# KiCad board data-center-rdimm-ddr4-tester.kicad_pcb (continued)
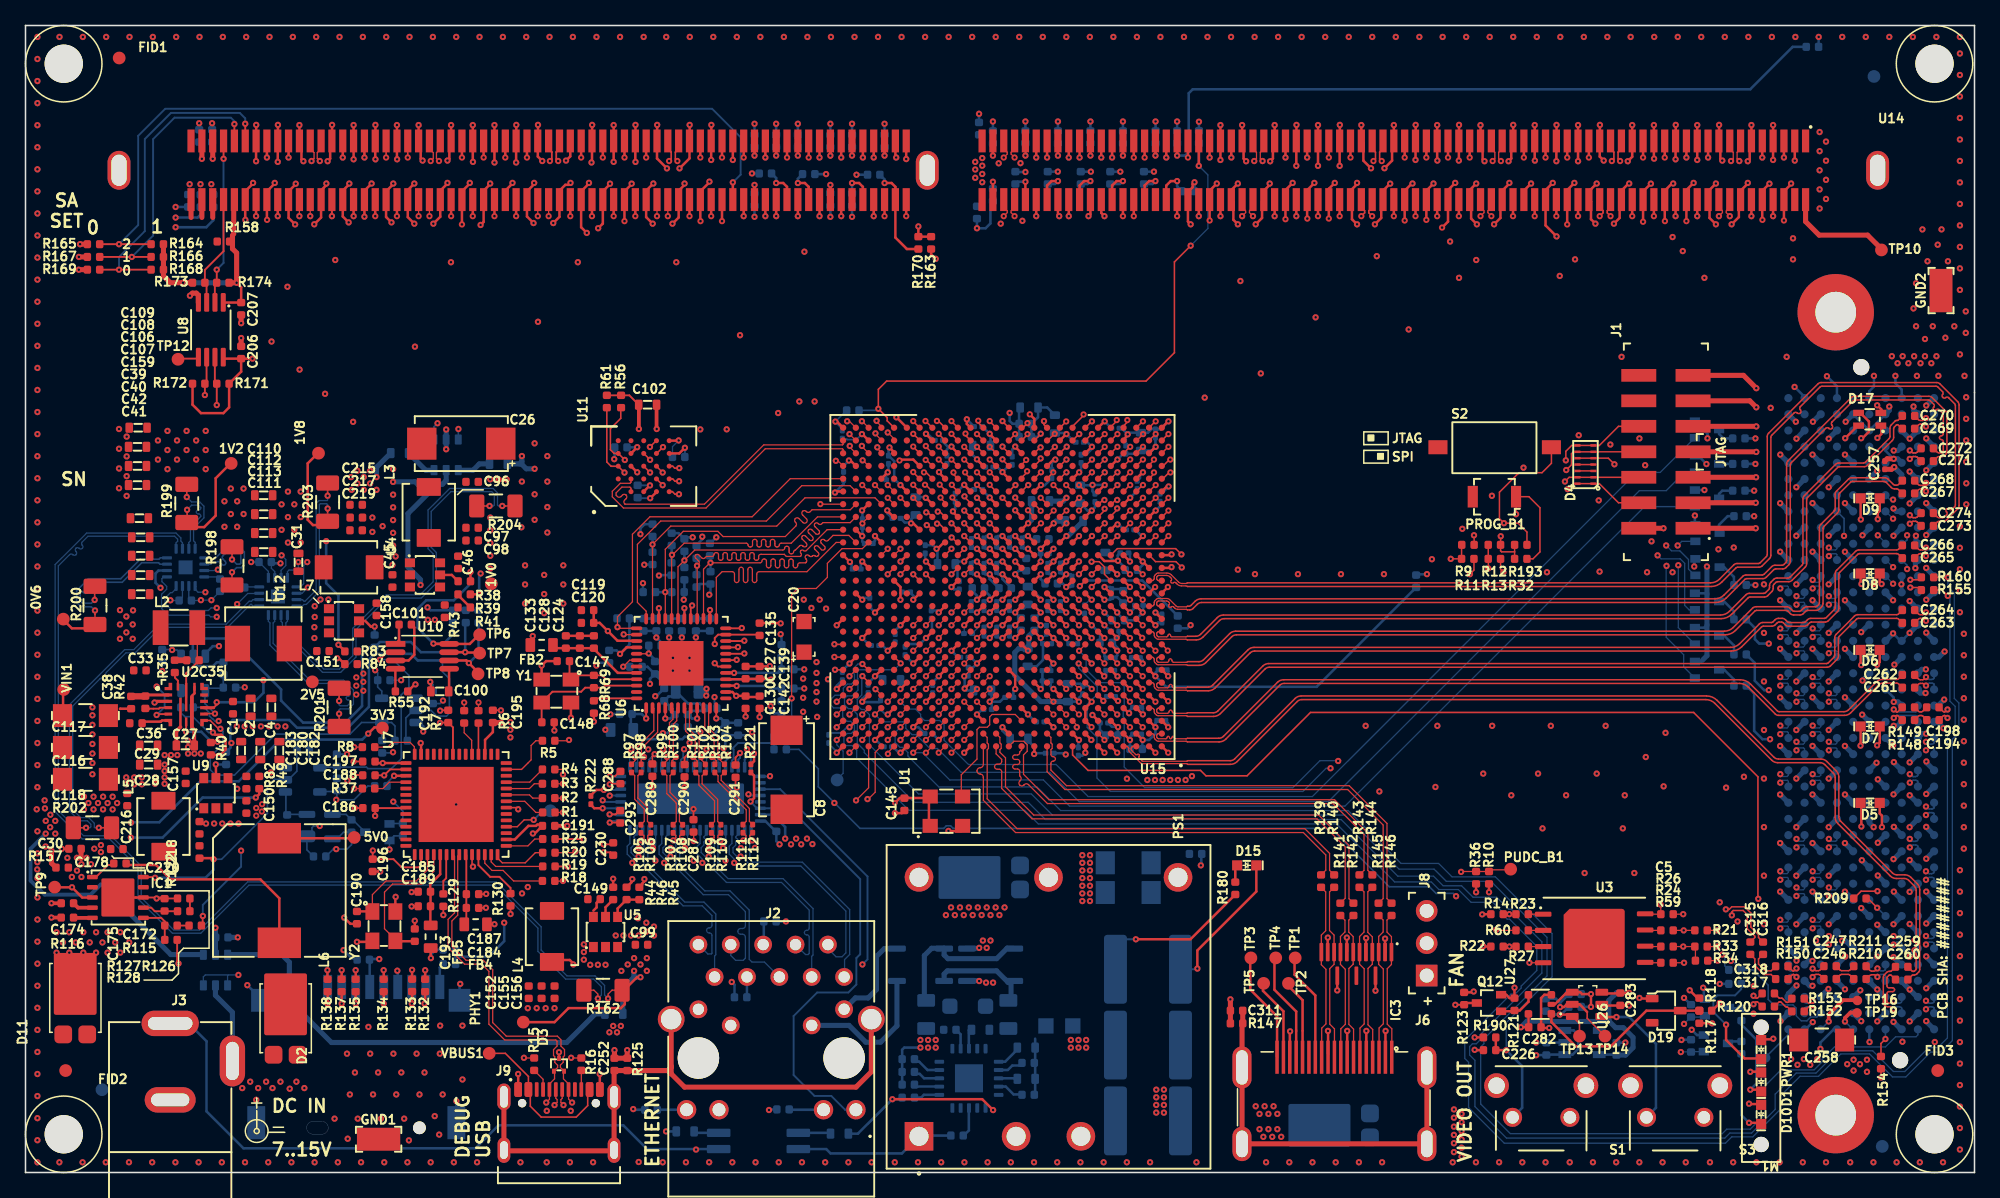
[diagram p0: board, top side]
## Library data of the parts (continued)
U12 = -: Author: Antmicro; License: Apache-2.0; Manufacturer: Diodes Incorporated; Field8: License: Apache-2.0; Field10: Author: Antmicro
U13 = -: Description: IEEE 802.3bt PoE high-power PD interface with automatic MPS & autoclass; Author: Antmicro; License: Apache-2.0; Manufacturer: Texas Instruments; Field8: License: Apache-2.0; Field9: Author: Antmicro
U14 = -: Description: DDR4 RDIMM 288 Pin SMT type; Author: Antmicro; License: Apache-2.0; MPN: 2199155-1; Manufacturer: TE Connectivity; Field9: License: Apache-2.0; Field10: Author: Antmicro
U15 = -: Description: Kintex®-7 Field Programmable Gate Array (FPGA) IC 300 4976640 65600 676-BBGA, FCBGA; Author: Antmicro; License: Apache-2.0; Manufacturer: AMD-Xilinx; Field8: Author: Antmicro; Field9: License: Apache-2.0
U16 = -: Description: 3.3-V, 2:1 (SPDT), 8-channel gigachannel LAN switch with LED switch & enhanced ESD protection; Author: Antmicro; License: Apache-2.0; Manufacturer: Texas Instruments; Field8: Author: Antmicro; Field10: License: Apache-2.0
U17 = -: Description: Dual Buffer w/ Open Drain, Low-Voltage CMOS, TSOP6 (SOT457/SC-74/SOT23-6) package 1.1mm height, Texas Instruments Equivalent: SN74LVC2G07DBVR; Author: Antmicro; License: Apache-2.0; MPN: 74LVC2G07GV,125; Manufacturer: Nexperia; Field8: Author: Antmicro; Field10: License: Apache-2.0
U18 = -: Description: Supervisory Circuits 4-Pin uP Voltage Monitors with Manual Reset Input; Author: Antmicro; License: Apache-2.0; Manufacturer: Maxim Integrated; Field8: License: Apache-2.0; Field10: Author: Antmicro
U19 = -: Description: Current/Voltage Monitor Regulator High-Side 16-VQFN (3x3); Author: Antmicro; License: Apache-2.0; MPN: PAC1954T-E/4MX; Manufacturer: Microchip Technology; Field8: License: Apache-2.0; Field10: Author: Antmicro
U20 = -: Description: Current/Voltage Monitor Regulator High-Side 16-VQFN (3x3); Author: Antmicro; License: Apache-2.0; MPN: PAC1954T-E/4MX; Manufacturer: Microchip Technology; Field8: Author: Antmicro; Field9: License: Apache-2.0
U21 U22 = -: Author: Antmicro; License: Apache-2.0; MPN: SN74AHCT1G125DBVR; Manufacturer: Texas Instruments; Field8: Author: Antmicro; Field10: License: Apache-2.0
U23 = -: Author: Antmicro; License: Apache-2.0; MPN: SN74AHCT1G125DBVR; Manufacturer: Texas Instruments; Field8: License: Apache-2.0; Field10: Author: Antmicro
U24 = -: Description: Dual Buffer w/ Open Drain, Low-Voltage CMOS, TSOP6 (SOT457/SC-74/SOT23-6) package 1.1mm height, Texas Instruments Equivalent: SN74LVC2G07DBVR; Author: Antmicro; License: Apache-2.0; MPN: 74LVC2G07GV,125; Manufacturer: Nexperia; Field8: Author: Antmicro; Field9: License: Apache-2.0
U25 = -: Description: LDO Voltage Regulators 300 MA LOW IQ WIDE INPUT 5.0V; Author: Antmicro; License: Apache-2.0; MPN: NCP718ASN500T1G; Manufacturer: ON Semiconductor; Field9: Author: Antmicro; Field10: License: Apache-2.0
U26 = -: Description: nanoPower Pushbutton On/Off Controller and Battery Freshness Seal; Author: Antmicro; License: Apache-2.0; MPN: MAX16150AUT+T; Manufacturer: Maxim Integrated; Field8: License: Apache-2.0; Field9: Author: Antmicro
U27 = -: Description: Single Inverting Buffer/Driver With 3-State Output; Author: Antmicro; License: Apache-2.0; MPN: SN74LVC1G240DCKR; Manufacturer: Texas Instruments; Field8: License: Apache-2.0; Field10: Author: Antmicro
Y1 = -: Description: 25 MHz ±20ppm Crystal 18pF 60 Ohms 4-SMD, No Lead; Author: Antmicro; License: Apache-2.0; MPN: ABM8G-25.000MHZ-18-D2Y-T; Manufacturer: Abracon; Val: 25MHz; Field9: License: Apache-2.0; Field11: Author: Antmicro
Y2 = -: Author: Antmicro; License: Apache-2.0; MPN: ABM8G-12.000MHZ-18-D2Y-T; Manufacturer: Abracon; Val: 12MHz; Field10: Author: Antmicro; Field11: License: Apache-2.0

## Footprints (pads in the part's own frame, mm; a bottom-side part is the same pattern mirrored in y, then rotated)
AP62301WU-7-TSOT23-6
  rect 0.7x0.8 smd: 1(-0.952,-1.18) 2(-0.001,-1.18) 3(0.947,-1.18) 4(0.947,1.18) 5(-0.001,1.18) 6(-0.952,1.18)
BarrelJack_3167288_Horizontal
  oval 4.5x2 hole 3.5x1: 1(0,0)
  oval 1.99x4 hole 1x3: 2(4.879,-2.948)
  oval 4x2 hole 3x1: 3(0,-5.999)
BGA-676_27x27mm_Layout26x26_P1X1mm
  round 0.5 smd: A1(-12.5,12.5) A2(-11.5,12.5) A3(-10.5,12.5) A4(-9.5,12.5) A5(-8.5,12.5) A6(-7.5,12.5) A7(-6.5,12.5) A8(-5.5,12.5) A9(-4.5,12.5) A10(-3.5,12.5) A11(-2.5,12.5) A12(-1.5,12.5) A13(-0.5,12.5) A14(0.499,12.5) A15(1.499,12.5) A16(2.499,12.5) A17(3.499,12.5) A18(4.499,12.5) A19(5.499,12.5) A20(6.499,12.5) A21(7.499,12.5) A22(8.499,12.5) A23(9.499,12.5) A24(10.499,12.5) A25(11.499,12.5) A26(12.499,12.5) AA1(-12.5,-7.499) AA2(-11.5,-7.499) AA3(-10.5,-7.499) AA4(-9.5,-7.499) AA5(-8.5,-7.499) AA6(-7.5,-7.499) AA7(-6.5,-7.499) AA8(-5.5,-7.499) AA9(-4.5,-7.499) AA10(-3.5,-7.499) AA11(-2.5,-7.499) AA12(-1.5,-7.499) AA13(-0.5,-7.499) AA14(0.499,-7.499) AA15(1.499,-7.499) AA16(2.499,-7.499) AA17(3.499,-7.499) AA18(4.499,-7.499) AA19(5.499,-7.499) AA20(6.499,-7.499) AA21(7.499,-7.499) AA22(8.499,-7.499) AA23(9.499,-7.499) AA24(10.499,-7.499) AA25(11.499,-7.499) AA26(12.499,-7.499) AB1(-12.5,-8.499) AB2(-11.5,-8.499) AB3(-10.5,-8.499) AB4(-9.5,-8.499) AB5(-8.5,-8.499) AB6(-7.5,-8.499) AB7(-6.5,-8.499) AB8(-5.5,-8.499) AB9(-4.5,-8.499) AB10(-3.5,-8.499) AB11(-2.5,-8.499) AB12(-1.5,-8.499) AB13(-0.5,-8.499) AB14(0.499,-8.499) AB15(1.499,-8.499) AB16(2.499,-8.499) AB17(3.499,-8.499) AB18(4.499,-8.499) AB19(5.499,-8.499) AB20(6.499,-8.499) AB21(7.499,-8.499) AB22(8.499,-8.499) AB23(9.499,-8.499) AB24(10.499,-8.499) AB25(11.499,-8.499) AB26(12.499,-8.499) AC1(-12.5,-9.499) AC2(-11.5,-9.499) AC3(-10.5,-9.499) AC4(-9.5,-9.499) AC5(-8.5,-9.499) AC6(-7.5,-9.499) AC7(-6.5,-9.499) AC8(-5.5,-9.499) AC9(-4.5,-9.499) AC10(-3.5,-9.499) AC11(-2.5,-9.499) AC12(-1.5,-9.499) AC13(-0.5,-9.499) AC14(0.499,-9.499) AC15(1.499,-9.499) AC16(2.499,-9.499) AC17(3.499,-9.499) AC18(4.499,-9.499) AC19(5.499,-9.499) AC20(6.499,-9.499) AC21(7.499,-9.499) AC22(8.499,-9.499) AC23(9.499,-9.499) AC24(10.499,-9.499) AC25(11.499,-9.499) AC26(12.499,-9.499) AD1(-12.5,-10.499) AD2(-11.5,-10.499) AD3(-10.5,-10.499) AD4(-9.5,-10.499) AD5(-8.5,-10.499) AD6(-7.5,-10.499) AD7(-6.5,-10.499) AD8(-5.5,-10.499) AD9(-4.5,-10.499) AD10(-3.5,-10.499) AD11(-2.5,-10.499) AD12(-1.5,-10.499) AD13(-0.5,-10.499) AD14(0.499,-10.499) AD15(1.499,-10.499) AD16(2.499,-10.499) AD17(3.499,-10.499) AD18(4.499,-10.499) AD19(5.499,-10.499) AD20(6.499,-10.499) AD21(7.499,-10.499) AD22(8.499,-10.499) AD23(9.499,-10.499) AD24(10.499,-10.499) AD25(11.499,-10.499) AD26(12.499,-10.499) AE1(-12.5,-11.499) AE2(-11.5,-11.499) AE3(-10.5,-11.499) AE4(-9.5,-11.499) AE5(-8.5,-11.499) AE6(-7.5,-11.499) AE7(-6.5,-11.499) AE8(-5.5,-11.499) AE9(-4.5,-11.499) AE10(-3.5,-11.499) AE11(-2.5,-11.499) AE12(-1.5,-11.499) AE13(-0.5,-11.499) AE14(0.499,-11.499) AE15(1.499,-11.499) AE16(2.499,-11.499) AE17(3.499,-11.499) AE18(4.499,-11.499) AE19(5.499,-11.499) AE20(6.499,-11.499) AE21(7.499,-11.499) AE22(8.499,-11.499) AE23(9.499,-11.499) AE24(10.499,-11.499) AE25(11.499,-11.499) AE26(12.499,-11.499) AF1(-12.5,-12.499) AF2(-11.5,-12.499) AF3(-10.5,-12.499) AF4(-9.5,-12.499) AF5(-8.5,-12.499) AF6(-7.5,-12.499) AF7(-6.5,-12.499) AF8(-5.5,-12.499) AF9(-4.5,-12.499) AF10(-3.5,-12.499) AF11(-2.5,-12.499) AF12(-1.5,-12.499) AF13(-0.5,-12.499) AF14(0.499,-12.499) AF15(1.499,-12.499) AF16(2.499,-12.499) AF17(3.499,-12.499) AF18(4.499,-12.499) AF19(5.499,-12.499) AF20(6.499,-12.499) AF21(7.499,-12.499) AF22(8.499,-12.499) AF23(9.499,-12.499) AF24(10.499,-12.499) AF25(11.499,-12.499) AF26(12.499,-12.499) B1(-12.5,11.5) B2(-11.5,11.5) B3(-10.5,11.5) B4(-9.5,11.5) B5(-8.5,11.5) B6(-7.5,11.5) B7(-6.5,11.5) B8(-5.5,11.5) B9(-4.5,11.5) B10(-3.5,11.5) B11(-2.5,11.5) B12(-1.5,11.5) B13(-0.5,11.5) B14(0.499,11.5) B15(1.499,11.5) B16(2.499,11.5) B17(3.499,11.5) B18(4.499,11.5) B19(5.499,11.5) B20(6.499,11.5) B21(7.499,11.5) B22(8.499,11.5) B23(9.499,11.5) B24(10.499,11.5) B25(11.499,11.5) B26(12.499,11.5) C1(-12.5,10.5) C2(-11.5,10.5) C3(-10.5,10.5) C4(-9.5,10.5) C5(-8.5,10.5) C6(-7.5,10.5) C7(-6.5,10.5) C8(-5.5,10.5) C9(-4.5,10.5) C10(-3.5,10.5) C11(-2.5,10.5) C12(-1.5,10.5) C13(-0.5,10.5) C14(0.499,10.5) C15(1.499,10.5) C16(2.499,10.5) C17(3.499,10.5) C18(4.499,10.5) C19(5.499,10.5) C20(6.499,10.5) C21(7.499,10.5) C22(8.499,10.5) C23(9.499,10.5) C24(10.499,10.5) C25(11.499,10.5) C26(12.499,10.5) D1(-12.5,9.5) D2(-11.5,9.5) D3(-10.5,9.5) D4(-9.5,9.5) D5(-8.5,9.5) D6(-7.5,9.5) D7(-6.5,9.5) D8(-5.5,9.5) D9(-4.5,9.5) D10(-3.5,9.5) D11(-2.5,9.5) D12(-1.5,9.5) D13(-0.5,9.5) D14(0.499,9.5) D15(1.499,9.5) D16(2.499,9.5) D17(3.499,9.5) D18(4.499,9.5) D19(5.499,9.5) D20(6.499,9.5) D21(7.499,9.5) D22(8.499,9.5) D23(9.499,9.5) D24(10.499,9.5) D25(11.499,9.5) D26(12.499,9.5) E1(-12.5,8.5) E2(-11.5,8.5) E3(-10.5,8.5) E4(-9.5,8.5) E5(-8.5,8.5) E6(-7.5,8.5) E7(-6.5,8.5) E8(-5.5,8.5) E9(-4.5,8.5) E10(-3.5,8.5) E11(-2.5,8.5) E12(-1.5,8.5) E13(-0.5,8.5) E14(0.499,8.5) E15(1.499,8.5) E16(2.499,8.5) E17(3.499,8.5) E18(4.499,8.5) E19(5.499,8.5) E20(6.499,8.5) E21(7.499,8.5) E22(8.499,8.5) E23(9.499,8.5) E24(10.499,8.5) E25(11.499,8.5) E26(12.499,8.5) F1(-12.5,7.5) F2(-11.5,7.5) F3(-10.5,7.5) F4(-9.5,7.5) F5(-8.5,7.5) F6(-7.5,7.5) F7(-6.5,7.5) F8(-5.5,7.5) F9(-4.5,7.5) F10(-3.5,7.5) F11(-2.5,7.5) F12(-1.5,7.5) F13(-0.5,7.5) F14(0.499,7.5) F15(1.499,7.5) F16(2.499,7.5) F17(3.499,7.5) F18(4.499,7.5) F19(5.499,7.5) F20(6.499,7.5) F21(7.499,7.5) F22(8.499,7.5) F23(9.499,7.5) F24(10.499,7.5) F25(11.499,7.5) F26(12.499,7.5) G1(-12.5,6.5) G2(-11.5,6.5) G3(-10.5,6.5) G4(-9.5,6.5) G5(-8.5,6.5) G6(-7.5,6.5) G7(-6.5,6.5) G8(-5.5,6.5) G9(-4.5,6.5) G10(-3.5,6.5) G11(-2.5,6.5) G12(-1.5,6.5) G13(-0.5,6.5) G14(0.499,6.5) G15(1.499,6.5) G16(2.499,6.5) G17(3.499,6.5) G18(4.499,6.5) G19(5.499,6.5) G20(6.499,6.5) G21(7.499,6.5) G22(8.499,6.5) G23(9.499,6.5) G24(10.499,6.5) G25(11.499,6.5) G26(12.499,6.5) H1(-12.5,5.5) H2(-11.5,5.5) H3(-10.5,5.5) H4(-9.5,5.5) H5(-8.5,5.5) H6(-7.5,5.5) H7(-6.5,5.5) H8(-5.5,5.5) H9(-4.5,5.5) H10(-3.5,5.5) H11(-2.5,5.5) H12(-1.5,5.5) H13(-0.5,5.5) H14(0.499,5.5) H15(1.499,5.5) H16(2.499,5.5) H17(3.499,5.5) H18(4.499,5.5) H19(5.499,5.5) H20(6.499,5.5) H21(7.499,5.5) H22(8.499,5.5) H23(9.499,5.5) H24(10.499,5.5) H25(11.499,5.5) H26(12.499,5.5) J1(-12.5,4.5) J2(-11.5,4.5) J3(-10.5,4.5) J4(-9.5,4.5) J5(-8.5,4.5) J6(-7.5,4.5) J7(-6.5,4.5) J8(-5.5,4.5) J9(-4.5,4.5) J10(-3.5,4.5) J11(-2.5,4.5) J12(-1.5,4.5) J13(-0.5,4.5) J14(0.499,4.5) J15(1.499,4.5) J16(2.499,4.5) J17(3.499,4.5) J18(4.499,4.5) J19(5.499,4.5) J20(6.499,4.5) J21(7.499,4.5) J22(8.499,4.5) J23(9.499,4.5) J24(10.499,4.5) J25(11.499,4.5) J26(12.499,4.5) K1(-12.5,3.5) K2(-11.5,3.5) K3(-10.5,3.5) K4(-9.5,3.5) K5(-8.5,3.5) K6(-7.5,3.5) K7(-6.5,3.5) K8(-5.5,3.5) K9(-4.5,3.5) K10(-3.5,3.5) K11(-2.5,3.5) K12(-1.5,3.5) K13(-0.5,3.5) K14(0.499,3.5) K15(1.499,3.5) K16(2.499,3.5) K17(3.499,3.5) K18(4.499,3.5) K19(5.499,3.5) K20(6.499,3.5) K21(7.499,3.5) K22(8.499,3.5) K23(9.499,3.5) K24(10.499,3.5) K25(11.499,3.5) K26(12.499,3.5) L1(-12.5,2.5) L2(-11.5,2.5) L3(-10.5,2.5) L4(-9.5,2.5) L5(-8.5,2.5) L6(-7.5,2.5) L7(-6.5,2.5) L8(-5.5,2.5) L9(-4.5,2.5) L10(-3.5,2.5) L11(-2.5,2.5) L12(-1.5,2.5) L13(-0.5,2.5) L14(0.499,2.5) L15(1.499,2.5) L16(2.499,2.5) L17(3.499,2.5) L18(4.499,2.5) L19(5.499,2.5) L20(6.499,2.5) L21(7.499,2.5) L22(8.499,2.5) L23(9.499,2.5) L24(10.499,2.5) L25(11.499,2.5) L26(12.499,2.5) M1(-12.5,1.5) M2(-11.5,1.5) M3(-10.5,1.5) M4(-9.5,1.5) M5(-8.5,1.5) M6(-7.5,1.5) M7(-6.5,1.5) M8(-5.5,1.5) M9(-4.5,1.5) M10(-3.5,1.5) M11(-2.5,1.5) M12(-1.5,1.5) M13(-0.5,1.5) M14(0.499,1.5) M15(1.499,1.5) M16(2.499,1.5) M17(3.499,1.5) M18(4.499,1.5) M19(5.499,1.5) M20(6.499,1.5) M21(7.499,1.5) M22(8.499,1.5) M23(9.499,1.5) M24(10.499,1.5) M25(11.499,1.5) M26(12.499,1.5) N1(-12.5,0.5) N2(-11.5,0.5) N3(-10.5,0.5) N4(-9.5,0.5) N5(-8.5,0.5) N6(-7.5,0.5) N7(-6.5,0.5) N8(-5.5,0.5) N9(-4.5,0.5) N10(-3.5,0.5) N11(-2.5,0.5) N12(-1.5,0.5) N13(-0.5,0.5) N14(0.499,0.5) N15(1.499,0.5) N16(2.499,0.5) N17(3.499,0.5) N18(4.499,0.5) N19(5.499,0.5) N20(6.499,0.5) N21(7.499,0.5) N22(8.499,0.5) N23(9.499,0.5) N24(10.499,0.5) N25(11.499,0.5) N26(12.499,0.5) P1(-12.5,-0.499) P2(-11.5,-0.499) P3(-10.5,-0.499) P4(-9.5,-0.499) P5(-8.5,-0.499) P6(-7.5,-0.499) P7(-6.5,-0.499) P8(-5.5,-0.499) P9(-4.5,-0.499) P10(-3.5,-0.499) P11(-2.5,-0.499) P12(-1.5,-0.499) P13(-0.5,-0.499) P14(0.499,-0.499) P15(1.499,-0.499) P16(2.499,-0.499) P17(3.499,-0.499) P18(4.499,-0.499) P19(5.499,-0.499) P20(6.499,-0.499) P21(7.499,-0.499) P22(8.499,-0.499) P23(9.499,-0.499) P24(10.499,-0.499) P25(11.499,-0.499) P26(12.499,-0.499) R1(-12.5,-1.499) R2(-11.5,-1.499) R3(-10.5,-1.499) R4(-9.5,-1.499) R5(-8.5,-1.499) R6(-7.5,-1.499) R7(-6.5,-1.499) R8(-5.5,-1.499) R9(-4.5,-1.499) R10(-3.5,-1.499) R11(-2.5,-1.499) R12(-1.5,-1.499) R13(-0.5,-1.499) R14(0.499,-1.499) R15(1.499,-1.499) R16(2.499,-1.499) R17(3.499,-1.499) R18(4.499,-1.499) R19(5.499,-1.499) R20(6.499,-1.499) R21(7.499,-1.499) R22(8.499,-1.499) R23(9.499,-1.499) R24(10.499,-1.499) R25(11.499,-1.499) R26(12.499,-1.499) T1(-12.5,-2.499) T2(-11.5,-2.499) T3(-10.5,-2.499) T4(-9.5,-2.499) T5(-8.5,-2.499) T6(-7.5,-2.499) T7(-6.5,-2.499) T8(-5.5,-2.499) T9(-4.5,-2.499) T10(-3.5,-2.499) T11(-2.5,-2.499) T12(-1.5,-2.499) T13(-0.5,-2.499) T14(0.499,-2.499) T15(1.499,-2.499) T16(2.499,-2.499) T17(3.499,-2.499) T18(4.499,-2.499) T19(5.499,-2.499) T20(6.499,-2.499) T21(7.499,-2.499) T22(8.499,-2.499) T23(9.499,-2.499) T24(10.499,-2.499) T25(11.499,-2.499) T26(12.499,-2.499) U1(-12.5,-3.499) U2(-11.5,-3.499) U3(-10.5,-3.499) U4(-9.5,-3.499) U5(-8.5,-3.499) U6(-7.5,-3.499) U7(-6.5,-3.499) U8(-5.5,-3.499) U9(-4.5,-3.499) U10(-3.5,-3.499) U11(-2.5,-3.499) U12(-1.5,-3.499) U13(-0.5,-3.499) U14(0.499,-3.499) U15(1.499,-3.499) U16(2.499,-3.499) U17(3.499,-3.499) U18(4.499,-3.499) U19(5.499,-3.499) U20(6.499,-3.499) U21(7.499,-3.499) U22(8.499,-3.499) U23(9.499,-3.499) U24(10.499,-3.499) U25(11.499,-3.499) U26(12.499,-3.499) V1(-12.5,-4.499) V2(-11.5,-4.499) V3(-10.5,-4.499) V4(-9.5,-4.499) V5(-8.5,-4.499) V6(-7.5,-4.499) V7(-6.5,-4.499) V8(-5.5,-4.499) V9(-4.5,-4.499) V10(-3.5,-4.499) V11(-2.5,-4.499) V12(-1.5,-4.499) V13(-0.5,-4.499) V14(0.499,-4.499) V15(1.499,-4.499) V16(2.499,-4.499) V17(3.499,-4.499) V18(4.499,-4.499) V19(5.499,-4.499) V20(6.499,-4.499) V21(7.499,-4.499) V22(8.499,-4.499) V23(9.499,-4.499) V24(10.499,-4.499) V25(11.499,-4.499) V26(12.499,-4.499) W1(-12.5,-5.499) W2(-11.5,-5.499) W3(-10.5,-5.499) W4(-9.5,-5.499) W5(-8.5,-5.499) W6(-7.5,-5.499) W7(-6.5,-5.499) W8(-5.5,-5.499) W9(-4.5,-5.499) W10(-3.5,-5.499) W11(-2.5,-5.499) W12(-1.5,-5.499) W13(-0.5,-5.499) W14(0.499,-5.499) W15(1.499,-5.499) W16(2.499,-5.499) W17(3.499,-5.499) W18(4.499,-5.499) W19(5.499,-5.499) W20(6.499,-5.499) W21(7.499,-5.499) W22(8.499,-5.499) W23(9.499,-5.499) W24(10.499,-5.499) W25(11.499,-5.499) W26(12.499,-5.499) Y1(-12.5,-6.499) Y2(-11.5,-6.499) Y3(-10.5,-6.499) Y4(-9.5,-6.499) Y5(-8.5,-6.499) Y6(-7.5,-6.499) Y7(-6.5,-6.499) Y8(-5.5,-6.499) Y9(-4.5,-6.499) Y10(-3.5,-6.499) Y11(-2.5,-6.499) Y12(-1.5,-6.499) Y13(-0.5,-6.499) Y14(0.499,-6.499) Y15(1.499,-6.499) Y16(2.499,-6.499) Y17(3.499,-6.499) Y18(4.499,-6.499) Y19(5.499,-6.499) Y20(6.499,-6.499) Y21(7.499,-6.499) Y22(8.499,-6.499) Y23(9.499,-6.499) Y24(10.499,-6.499) Y25(11.499,-6.499) Y26(12.499,-6.499)
Bus_DDR4_Socket_DIMM_2199155-1
  rect 0.57x1.8 smd: 1(0,0) 2(0.848,0) 3(1.699,0) 4(2.548,0) 5(3.398,0) 6(4.248,0) 7(5.099,0) 8(5.95,0) 9(6.799,0) 10(7.65,0) 11(8.499,0) 12(9.349,0) 13(10.198,0) 14(11.05,0) 15(11.9,0) 16(12.749,0) 17(13.598,0) 18(14.448,0) 19(15.3,0) 20(16.149,0) 21(16.998,0) 22(17.85,0) 23(18.699,0) 24(19.55,0) 25(20.399,0) 26(21.248,0) 27(22.1,0) 28(22.949,0) 29(23.8,0) 30(24.649,0) 31(25.498,0) 32(26.35,0) 33(27.199,0) 34(28.05,0) 35(28.899,0) 36(29.749,0) 37(30.6,0) 38(31.449,0) 39(32.298,0) 40(33.149,0) 41(33.999,0) 42(34.85,0) 43(35.7,0) 44(36.548,0) 45(37.399,0) 46(38.249,0) 47(39.1,0) 48(39.95,0) 49(40.798,0) 50(41.649,0) 51(42.499,0) 52(43.35,0) 53(44.2,0) 54(45.048,0) 55(45.898,0) 56(46.749,0) 57(47.6,0) 58(48.45,0) 59(49.298,0) 60(50.148,0) 61(50.999,0) 62(51.85,0) 63(52.7,0) 64(53.548,0) 65(54.398,0) 66(55.249,0) 67(56.1,0) 68(56.95,0) 69(57.798,0) 70(58.648,0) 71(59.499,0) 72(60.35,0) 73(61.2,0) 74(62.048,0) 75(62.898,0) 76(63.749,0) 77(64.599,0) 78(70.549,0) 79(71.4,0) 80(72.248,0) 81(73.099,0) 82(73.95,0) 83(74.799,0) 84(75.65,0) 85(76.498,0) 86(77.349,0) 87(78.2,0) 88(79.049,0) 89(79.9,0) 90(80.748,0) 91(81.599,0) 92(82.45,0) 93(83.299,0) 94(84.15,0) 95(84.998,0) 96(85.849,0) 97(86.7,0) 98(87.549,0) 99(88.4,0) 100(89.248,0) 101(90.099,0) 102(90.95,0) 103(91.799,0) 104(92.65,0) 105(93.498,0) 106(94.349,0) 107(95.2,0) 108(96.049,0) 109(96.9,0) 110(97.748,0) 111(98.599,0) 112(99.45,0) 113(100.299,0) 114(101.15,0) 115(101.998,0) 116(102.849,0) 117(103.7,0) 118(104.549,0) 119(105.4,0) 120(106.248,0) 121(107.099,0) 122(107.95,0) 123(108.799,0) 124(109.65,0) 125(110.498,0) 126(111.349,0) 127(112.2,0) 128(113.049,0) 129(113.9,0) 130(114.749,0) 131(115.599,0) 132(116.45,0) 133(117.299,0) 134(118.15,0) 135(118.999,0) 136(119.849,0) 137(120.7,0) 138(121.549,0) 139(122.4,0) 140(123.249,0) 141(124.099,0) 142(124.95,0) 143(125.799,0) 144(126.65,0) 145(0,4.601) 146(0.848,4.601) 147(1.699,4.601) 148(2.548,4.601) 149(3.398,4.601) 150(4.248,4.601) 151(5.099,4.601) 152(5.95,4.601) 153(6.799,4.601) 154(7.65,4.601) 155(8.499,4.601) 156(9.349,4.601) 157(10.198,4.601) 158(11.05,4.601) 159(11.9,4.601) 160(12.749,4.601) 161(13.598,4.601) 162(14.448,4.601) 163(15.3,4.601) 164(16.149,4.601) 165(16.998,4.601) 166(17.85,4.601) 167(18.699,4.601) 168(19.55,4.601) 169(20.399,4.601) 170(21.248,4.601) 171(22.1,4.601) 172(22.949,4.601) 173(23.8,4.601) 174(24.649,4.601) 175(25.498,4.601) 176(26.35,4.601) 177(27.199,4.601) 178(28.05,4.601) 179(28.899,4.601) 180(29.749,4.601) 181(30.6,4.601) 182(31.449,4.601) 183(32.298,4.601) 184(33.149,4.601) 185(33.999,4.601) 186(34.85,4.601) 187(35.7,4.601) 188(36.548,4.601) 189(37.399,4.601) 190(38.249,4.601) 191(39.1,4.601) 192(39.95,4.601) 193(40.798,4.601) 194(41.649,4.601) 195(42.499,4.601) 196(43.35,4.601) 197(44.2,4.601) 198(45.048,4.601) 199(45.898,4.601) 200(46.749,4.601) 201(47.6,4.601) 202(48.45,4.601) 203(49.298,4.601) 204(50.148,4.601) 205(50.999,4.601) 206(51.85,4.601) 207(52.7,4.601) 208(53.548,4.601) 209(54.398,4.601) 210(55.249,4.601) 211(56.1,4.601) 212(56.95,4.601) 213(57.798,4.601) 214(58.648,4.601) 215(59.499,4.601) 216(60.35,4.601) 217(61.2,4.601) 218(62.048,4.601) 219(62.898,4.601) 220(63.749,4.601) 221(64.599,4.601) 222(70.549,4.601) 223(71.4,4.601) 224(72.248,4.601) 225(73.099,4.601) 226(73.95,4.601) 227(74.799,4.601) 228(75.65,4.601) 229(76.498,4.601) 230(77.349,4.601) 231(78.2,4.601) 232(79.049,4.601) 233(79.9,4.601) 234(80.748,4.601) 235(81.599,4.601) 236(82.45,4.601) 237(83.299,4.601) 238(84.15,4.601) 239(84.998,4.601) 240(85.849,4.601) 241(86.7,4.601) 242(87.549,4.601) 243(88.4,4.601) 244(89.248,4.601) 245(90.099,4.601) 246(90.95,4.601) 247(91.799,4.601) 248(92.65,4.601) 249(93.498,4.601) 250(94.349,4.601) 251(95.2,4.601) 252(96.049,4.601) 253(96.9,4.601) 254(97.748,4.601) 255(98.599,4.601) 256(99.45,4.601) 257(100.299,4.601) 258(101.15,4.601) 259(101.998,4.601) 260(102.849,4.601) 261(103.7,4.601) 262(104.549,4.601) 263(105.4,4.601) 264(106.248,4.601) 265(107.099,4.601) 266(107.95,4.601) 267(108.799,4.601) 268(109.65,4.601) 269(110.498,4.601) 270(111.349,4.601) 271(112.2,4.601) 272(113.049,4.601) 273(113.9,4.601) 274(114.749,4.601) 275(115.599,4.601) 276(116.45,4.601) 277(117.299,4.601) 278(118.15,4.601) 279(118.999,4.601) 280(119.849,4.601) 281(120.7,4.601) 282(121.549,4.601) 283(122.4,4.601) 284(123.249,4.601) 285(124.099,4.601) 286(124.95,4.601) 287(125.799,4.601) 288(126.65,4.601)
  rrect 1.8x3.05 hole 1.2x2.45: MP1(-5.651,2.301) MP2(68.9,2.301) MP3(132.3,2.301)
C_0201
  rrect 0.318x0.36 smd: (-0.349,0.002) (0.341,0.002)
  rrect 0.46x0.4 smd: 1(-0.321,0.002) 2(0.32,0.002)
C_0402_1005Metric
  rrect 0.59x0.64 smd: 1(-0.484,0) 2(0.484,0)
C_0603_1608Metric
  rrect 0.6x0.8 smd: 1(-0.7,0) 2(0.7,0)
C_0805_2012Metric
  rect 1.2x1.2 smd: 1(-1.05,0) 2(1.05,0)
C_1206_3216Metric
  rect 1.5x1.8 smd: 1(-1.8,0) 2(1.8,0)
C_2220_5650Metric
  rrect 1.8x5.4 smd: 1(-2.55,0) 2(2.55,0)
CONV_PDQE30-Q48-S5-D
  rect 2.25x2.25 hole 1.5: 1(0,0)
  round 2.25 hole 1.5: 2(0,-7.618) 3(0,-12.698) 4(20.318,-20.318) 5(20.318,-10.159) 6(20.318,0)
DFN3538
  rrect 0.48x1.4 smd: 1(-1.27,1.85) 2(1.27,1.85) 3(-1.27,-1.85) 4(1.27,-1.85)
FB_0603_1608Metric
  rrect 0.762x1.09 smd: 1(-0.891,0) 2(0.888,0)
FB_0805_2012Metric
  rrect 1x1.4 smd: 1(-1.1,0.001) 2(1.1,0.001)
FBGA-24-1_6x8mm_Layout5x5_P1mm
  round 0.4 smd: A2(-1,2) A3(0,2) A4(0.999,2) A5(1.999,2) B1(-2,1) B2(-1,1) B3(0,1) B4(0.999,1) B5(1.999,1) C1(-2,0) C2(-1,0) C3(0,0) C4(0.999,0) C5(1.999,0) D1(-2,-0.999) D2(-1,-0.999) D3(0,-0.999) D4(0.999,-0.999) D5(1.999,-0.999) E1(-2,-1.999) E2(-1,-1.999) E3(0,-1.999) E4(0.999,-1.999) E5(1.999,-1.999)
Fiducial_1mm_Mask2mm
  round 1 smd: (0,0)
FMC_SAMTEC_ASP-134486-01
  round 6 hole 3.2 unplated: (-31.499,-1.999) (31.501,-1.999)
  round 1.27 hole 1.27 unplated: (-27.189,3.05) (27.19,0)
  round 0.64 smd: A1(-24.766,5.715) A2(-23.496,5.715) A3(-22.226,5.715) A4(-20.955,5.715) A5(-19.685,5.715) A6(-18.415,5.715) A7(-17.145,5.715) A8(-15.875,5.715) A9(-14.606,5.715) A10(-13.336,5.715) A11(-12.065,5.715) A12(-10.795,5.715) A13(-9.526,5.715) A14(-8.256,5.715) A15(-6.986,5.715) A16(-5.715,5.715) A17(-4.446,5.715) A18(-3.175,5.715) A19(-1.905,5.715) A20(-0.635,5.715) A21(0.634,5.715) A22(1.904,5.715) A23(3.174,5.715) A24(4.445,5.715) A25(5.714,5.715) A26(6.985,5.715) A27(8.255,5.715) A28(9.525,5.715) A29(10.794,5.715) A30(12.064,5.715) A31(13.335,5.715) A32(14.605,5.715) A33(15.874,5.715) A34(17.144,5.715) A35(18.414,5.715) A36(19.684,5.715) A37(20.954,5.715) A38(22.225,5.715) A39(23.495,5.715) A40(24.765,5.715) B1(-24.766,4.446) B2(-23.496,4.446) B3(-22.226,4.446) B4(-20.955,4.446) B5(-19.685,4.446) B6(-18.415,4.446) B7(-17.145,4.446) B8(-15.875,4.446) B9(-14.606,4.446) B10(-13.336,4.446) B11(-12.065,4.446) B12(-10.795,4.446) B13(-9.526,4.446) B14(-8.256,4.446) B15(-6.986,4.446) B16(-5.715,4.446) B17(-4.446,4.446) B18(-3.175,4.446) B19(-1.905,4.446) B20(-0.635,4.446) B21(0.634,4.446) B22(1.904,4.446) B23(3.174,4.446) B24(4.445,4.446) B25(5.714,4.446) B26(6.985,4.446) B27(8.255,4.446) B28(9.525,4.446) B29(10.794,4.446) B30(12.064,4.446) B31(13.335,4.446) B32(14.605,4.446) B33(15.874,4.446) B34(17.144,4.446) B35(18.414,4.446) B36(19.684,4.446) B37(20.954,4.446) B38(22.225,4.446) B39(23.495,4.446) B40(24.765,4.446) C1(-24.766,3.175) C2(-23.496,3.175) C3(-22.226,3.175) C4(-20.955,3.175) C5(-19.685,3.175) C6(-18.415,3.175) C7(-17.145,3.175) C8(-15.875,3.175) C9(-14.606,3.175) C10(-13.336,3.175) C11(-12.065,3.175) C12(-10.795,3.175) C13(-9.526,3.175) C14(-8.256,3.175) C15(-6.986,3.175) C16(-5.715,3.175) C17(-4.446,3.175) C18(-3.175,3.175) C19(-1.905,3.175) C20(-0.635,3.175) C21(0.634,3.175) C22(1.904,3.175) C23(3.174,3.175) C24(4.445,3.175) C25(5.714,3.175) C26(6.985,3.175) C27(8.255,3.175) C28(9.525,3.175) C29(10.794,3.175) C30(12.064,3.175) C31(13.335,3.175) C32(14.605,3.175) C33(15.874,3.175) C34(17.144,3.175) C35(18.414,3.175) C36(19.684,3.175) C37(20.954,3.175) C38(22.225,3.175) C39(23.495,3.175) C40(24.765,3.175) D1(-24.766,1.905) D2(-23.496,1.905) D3(-22.226,1.905) D4(-20.955,1.905) D5(-19.685,1.905) D6(-18.415,1.905) D7(-17.145,1.905) D8(-15.875,1.905) D9(-14.606,1.905) D10(-13.336,1.905) D11(-12.065,1.905) D12(-10.795,1.905) D13(-9.526,1.905) D14(-8.256,1.905) D15(-6.986,1.905) D16(-5.715,1.905) D17(-4.446,1.905) D18(-3.175,1.905) D19(-1.905,1.905) D20(-0.635,1.905) D21(0.634,1.905) D22(1.904,1.905) D23(3.174,1.905) D24(4.445,1.905) D25(5.714,1.905) D26(6.985,1.905) D27(8.255,1.905) D28(9.525,1.905) D29(10.794,1.905) D30(12.064,1.905) D31(13.335,1.905) D32(14.605,1.905) D33(15.874,1.905) D34(17.144,1.905) D35(18.414,1.905) D36(19.684,1.905) D37(20.954,1.905) D38(22.225,1.905) D39(23.495,1.905) D40(24.765,1.905) E1(-24.766,0.635) E2(-23.496,0.635) E3(-22.226,0.635) E4(-20.955,0.635) E5(-19.685,0.635) E6(-18.415,0.635) E7(-17.145,0.635) E8(-15.875,0.635) E9(-14.606,0.635) E10(-13.336,0.635) E11(-12.065,0.635) E12(-10.795,0.635) E13(-9.526,0.635) E14(-8.256,0.635) E15(-6.986,0.635) E16(-5.715,0.635) E17(-4.446,0.635) E18(-3.175,0.635) E19(-1.905,0.635) E20(-0.635,0.635) E21(0.634,0.635) E22(1.904,0.635) E23(3.174,0.635) E24(4.445,0.635) E25(5.714,0.635) E26(6.985,0.635) E27(8.255,0.635) E28(9.525,0.635) E29(10.794,0.635) E30(12.064,0.635) E31(13.335,0.635) E32(14.605,0.635) E33(15.874,0.635) E34(17.144,0.635) E35(18.414,0.635) E36(19.684,0.635) E37(20.954,0.635) E38(22.225,0.635) E39(23.495,0.635) E40(24.765,0.635) F1(-24.766,-0.634) F2(-23.496,-0.634) F3(-22.226,-0.634) F4(-20.955,-0.634) F5(-19.685,-0.634) F6(-18.415,-0.634) F7(-17.145,-0.634) F8(-15.875,-0.634) F9(-14.606,-0.634) F10(-13.336,-0.634) F11(-12.065,-0.634) F12(-10.795,-0.634) F13(-9.526,-0.634) F14(-8.256,-0.634) F15(-6.986,-0.634) F16(-5.715,-0.634) F17(-4.446,-0.634) F18(-3.175,-0.634) F19(-1.905,-0.634) F20(-0.635,-0.634) F21(0.634,-0.634) F22(1.904,-0.634) F23(3.174,-0.634) F24(4.445,-0.634) F25(5.714,-0.634) F26(6.985,-0.634) F27(8.255,-0.634) F28(9.525,-0.634) F29(10.794,-0.634) F30(12.064,-0.634) F31(13.335,-0.634) F32(14.605,-0.634) F33(15.874,-0.634) F34(17.144,-0.634) F35(18.414,-0.634) F36(19.684,-0.634) F37(20.954,-0.634) F38(22.225,-0.634) F39(23.495,-0.634) F40(24.765,-0.634) G1(-24.766,-1.904) G2(-23.496,-1.904) G3(-22.226,-1.904) G4(-20.955,-1.904) G5(-19.685,-1.904) G6(-18.415,-1.904) G7(-17.145,-1.904) G8(-15.875,-1.904) G9(-14.606,-1.904) G10(-13.336,-1.904) G11(-12.065,-1.904) G12(-10.795,-1.904) G13(-9.526,-1.904) G14(-8.256,-1.904) G15(-6.986,-1.904) G16(-5.715,-1.904) G17(-4.446,-1.904) G18(-3.175,-1.904) G19(-1.905,-1.904) G20(-0.635,-1.904) G21(0.634,-1.904) G22(1.904,-1.904) G23(3.174,-1.904) G24(4.445,-1.904) G25(5.714,-1.904) G26(6.985,-1.904) G27(8.255,-1.904) G28(9.525,-1.904) G29(10.794,-1.904) G30(12.064,-1.904) G31(13.335,-1.904) G32(14.605,-1.904) G33(15.874,-1.904) G34(17.144,-1.904) G35(18.414,-1.904) G36(19.684,-1.904) G37(20.954,-1.904) G38(22.225,-1.904) G39(23.495,-1.904) G40(24.765,-1.904) H1(-24.766,-3.174) H2(-23.496,-3.174) H3(-22.226,-3.174) H4(-20.955,-3.174) H5(-19.685,-3.174) H6(-18.415,-3.174) H7(-17.145,-3.174) H8(-15.875,-3.174) H9(-14.606,-3.174) H10(-13.336,-3.174) H11(-12.065,-3.174) H12(-10.795,-3.174) H13(-9.526,-3.174) H14(-8.256,-3.174) H15(-6.986,-3.174) H16(-5.715,-3.174) H17(-4.446,-3.174) H18(-3.175,-3.174) H19(-1.905,-3.174) H20(-0.635,-3.174) H21(0.634,-3.174) H22(1.904,-3.174) H23(3.174,-3.174) H24(4.445,-3.174) H25(5.714,-3.174) H26(6.985,-3.174) H27(8.255,-3.174) H28(9.525,-3.174) H29(10.794,-3.174) H30(12.064,-3.174) H31(13.335,-3.174) H32(14.605,-3.174) H33(15.874,-3.174) H34(17.144,-3.174) H35(18.414,-3.174) H36(19.684,-3.174) H37(20.954,-3.174) H38(22.225,-3.174) H39(23.495,-3.174) H40(24.765,-3.174) J1(-24.766,-4.445) J2(-23.496,-4.445) J3(-22.226,-4.445) J4(-20.955,-4.445) J5(-19.685,-4.445) J6(-18.415,-4.445) J7(-17.145,-4.445) J8(-15.875,-4.445) J9(-14.606,-4.445) J10(-13.336,-4.445) J11(-12.065,-4.445) J12(-10.795,-4.445) J13(-9.526,-4.445) J14(-8.256,-4.445) J15(-6.986,-4.445) J16(-5.715,-4.445) J17(-4.446,-4.445) J18(-3.175,-4.445) J19(-1.905,-4.445) J20(-0.635,-4.445) J21(0.634,-4.445) J22(1.904,-4.445) J23(3.174,-4.445) J24(4.445,-4.445) J25(5.714,-4.445) J26(6.985,-4.445) J27(8.255,-4.445) J28(9.525,-4.445) J29(10.794,-4.445) J30(12.064,-4.445) J31(13.335,-4.445) J32(14.605,-4.445) J33(15.874,-4.445) J34(17.144,-4.445) J35(18.414,-4.445) J36(19.684,-4.445) J37(20.954,-4.445) J38(22.225,-4.445) J39(23.495,-4.445) J40(24.765,-4.445) K1(-24.766,-5.714) K2(-23.496,-5.714) K3(-22.226,-5.714) K4(-20.955,-5.714) K5(-19.685,-5.714) K6(-18.415,-5.714) K7(-17.145,-5.714) K8(-15.875,-5.714) K9(-14.606,-5.714) K10(-13.336,-5.714) K11(-12.065,-5.714) K12(-10.795,-5.714) K13(-9.526,-5.714) K14(-8.256,-5.714) K15(-6.986,-5.714) K16(-5.715,-5.714) K17(-4.446,-5.714) K18(-3.175,-5.714) K19(-1.905,-5.714) K20(-0.635,-5.714) K21(0.634,-5.714) K22(1.904,-5.714) K23(3.174,-5.714) K24(4.445,-5.714) K25(5.714,-5.714) K26(6.985,-5.714) K27(8.255,-5.714) K28(9.525,-5.714) K29(10.794,-5.714) K30(12.064,-5.714) K31(13.335,-5.714) K32(14.605,-5.714) K33(15.874,-5.714) K34(17.144,-5.714) K35(18.414,-5.714) K36(19.684,-5.714) K37(20.954,-5.714) K38(22.225,-5.714) K39(23.495,-5.714) K40(24.765,-5.714)